# Altium PCB Dash Board (1).PcbDoc (part 1 of 2)
Units mil, origin at the board's own origin, x right, y up, seen from the top; angles counter-clockwise.
Board outline 5620.27 x 3065.15 mil, 4 copper layers (Top Layer, GND, Power, Bottom Layer), stack 29.356 mil thick; 93 components, 67 nets, 344 pads, 149 vias.
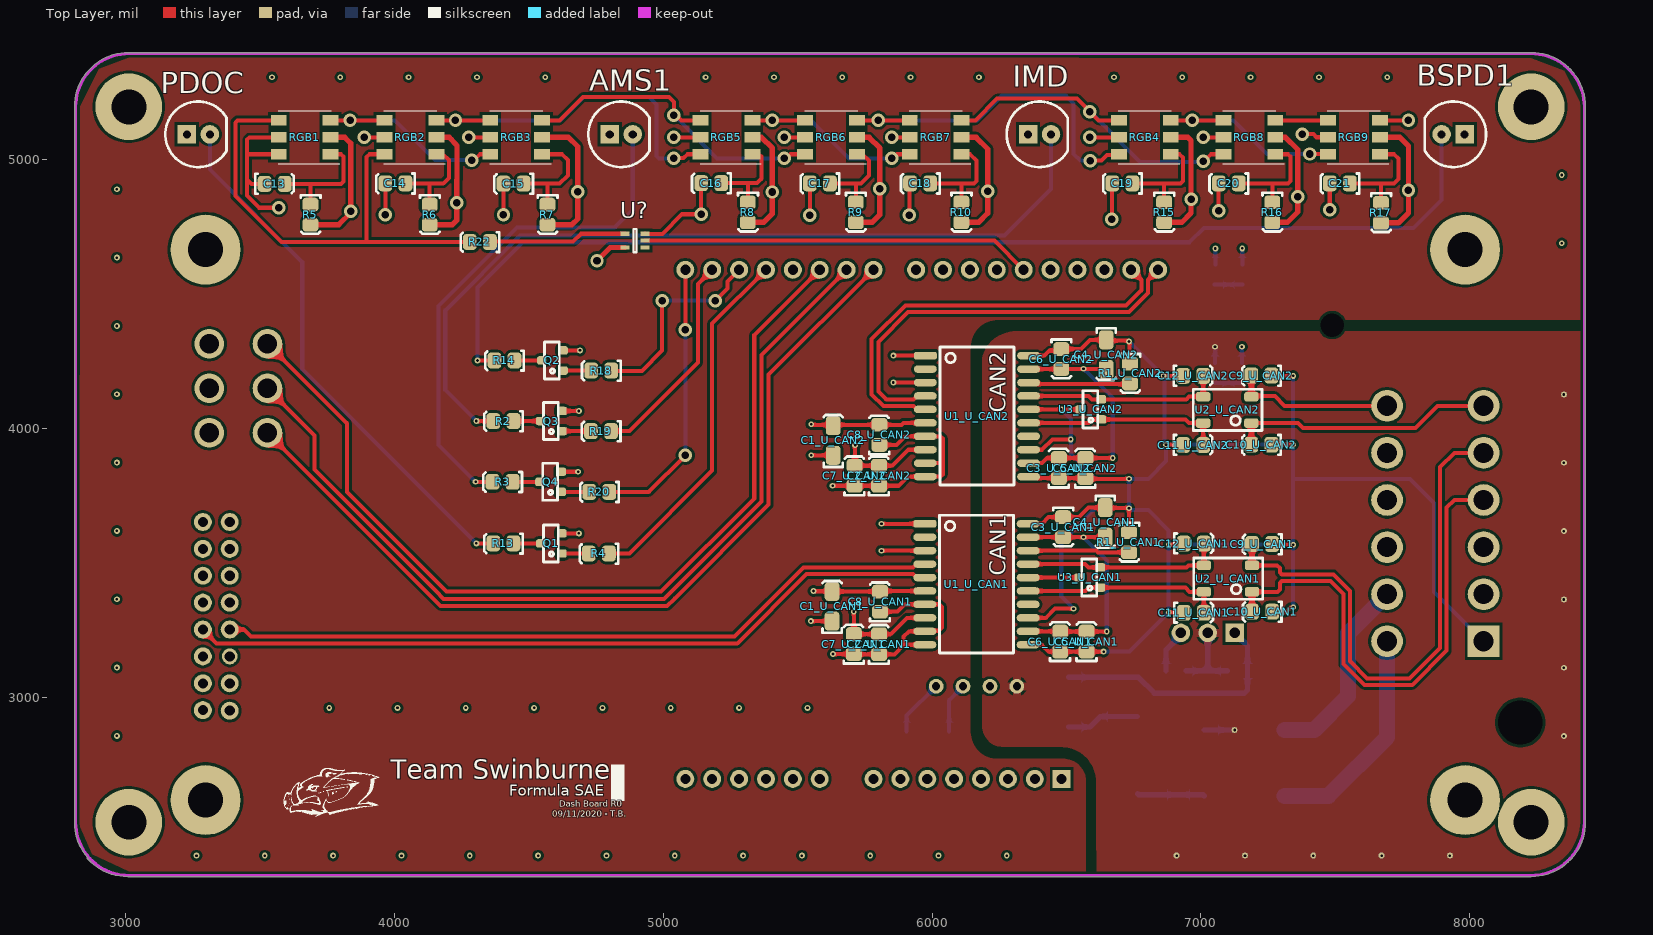
[diagram p0: Top Layer view]
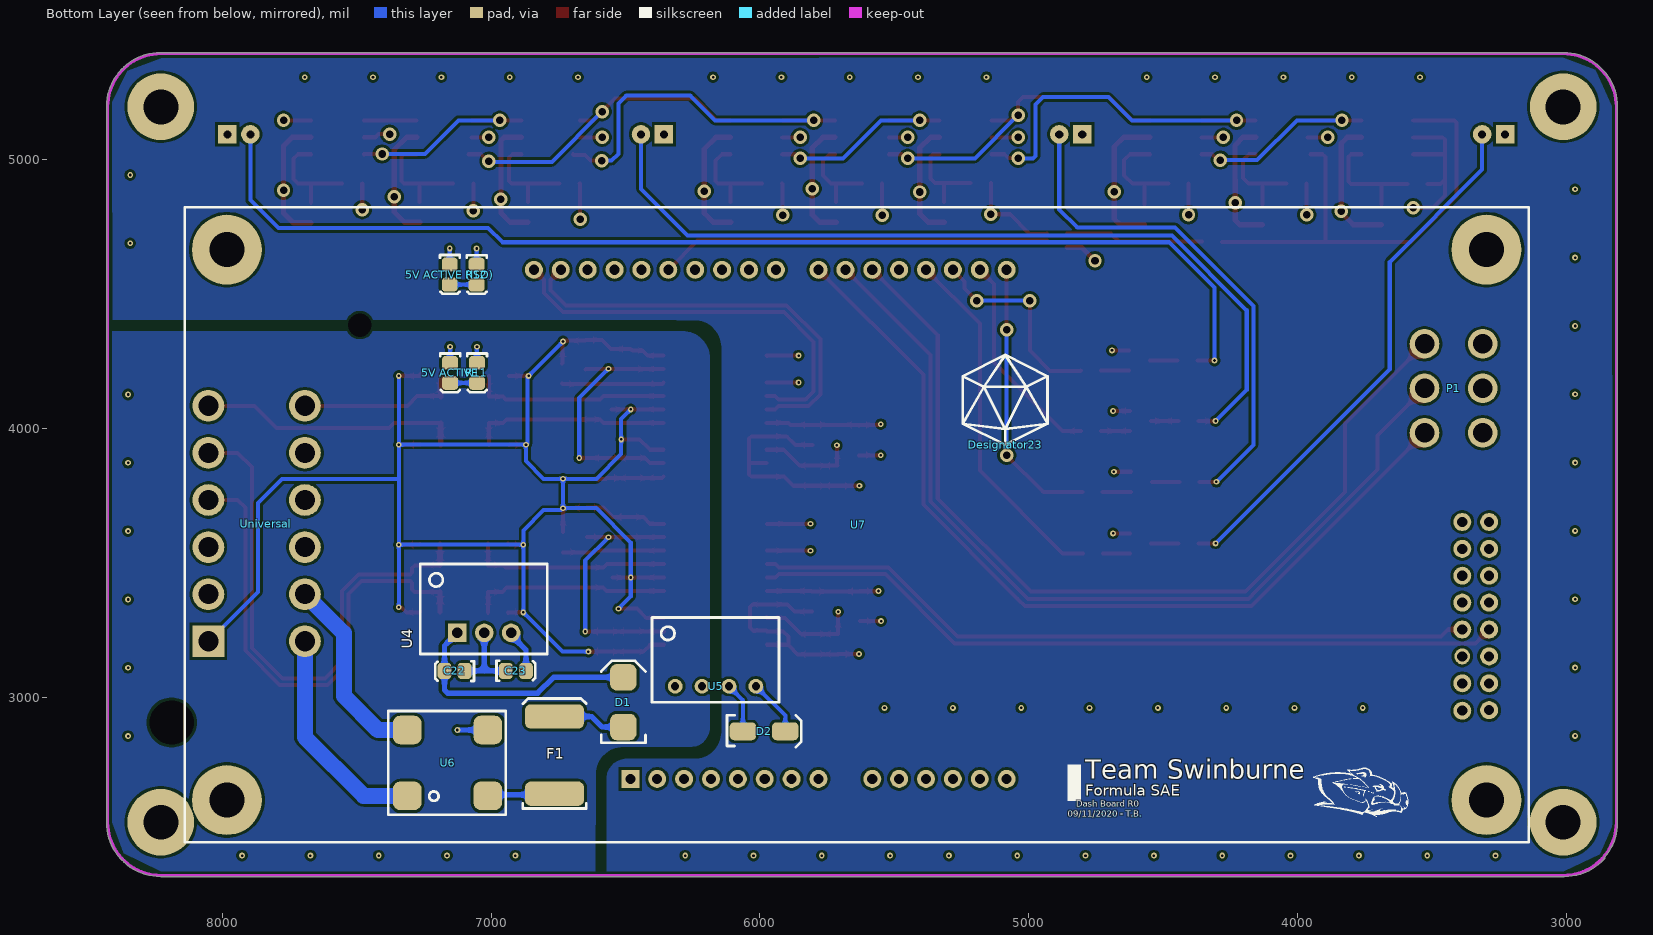
[diagram p1: Bottom Layer view, seen from below]
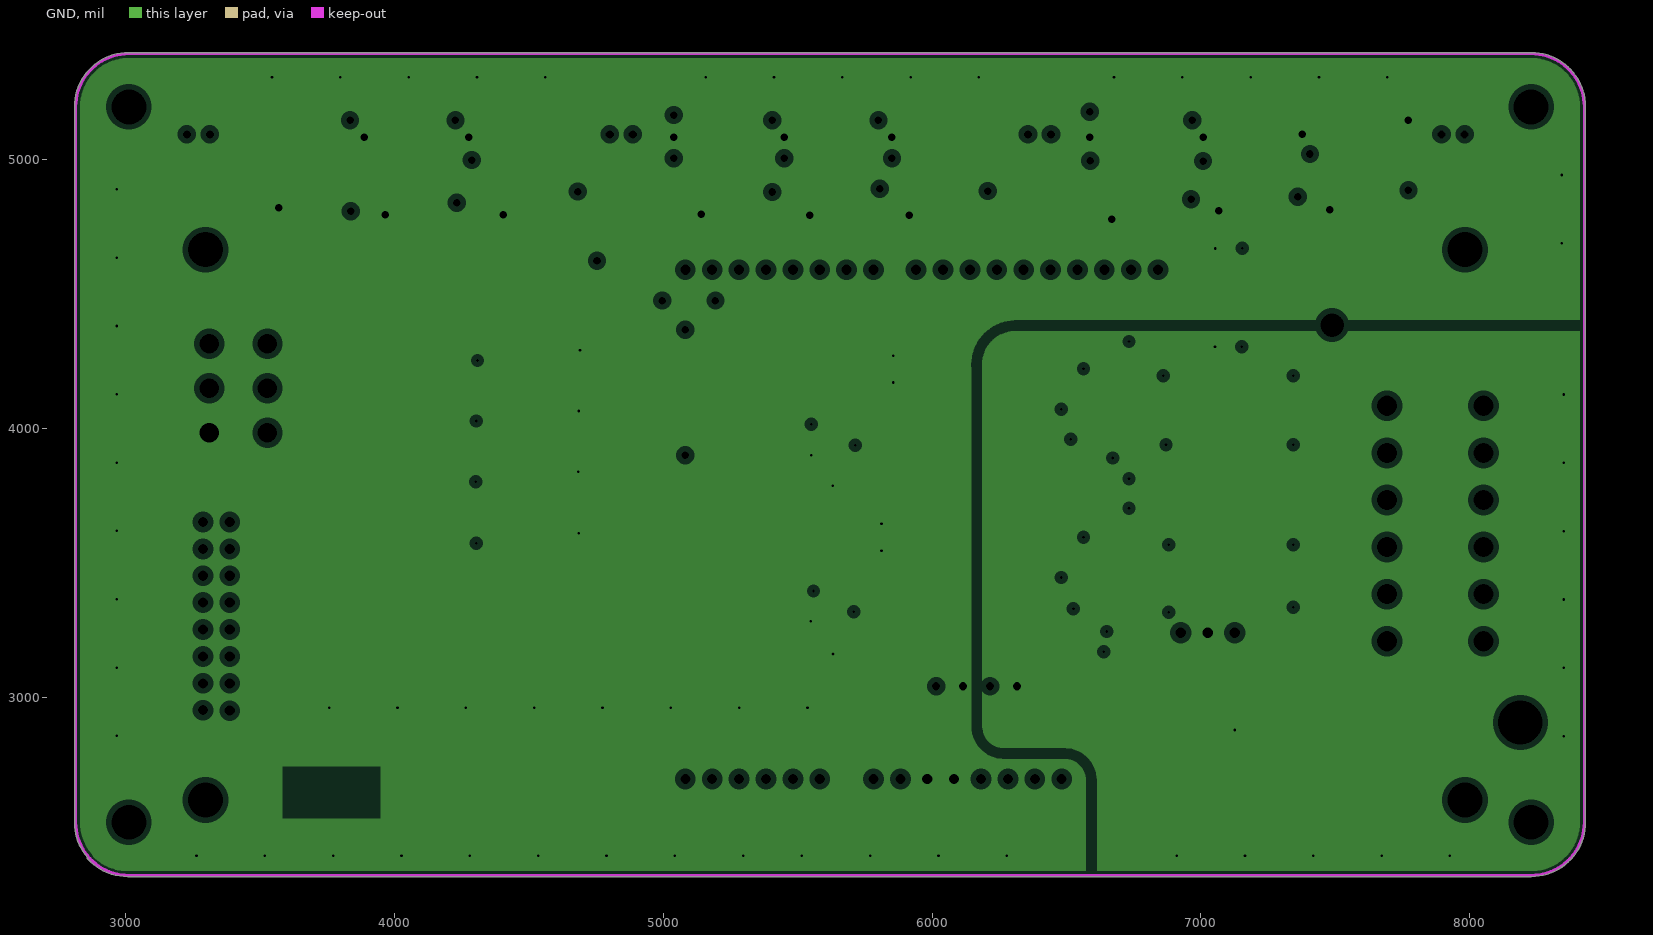
[diagram p2: GND, clearances drawn from the general rule]
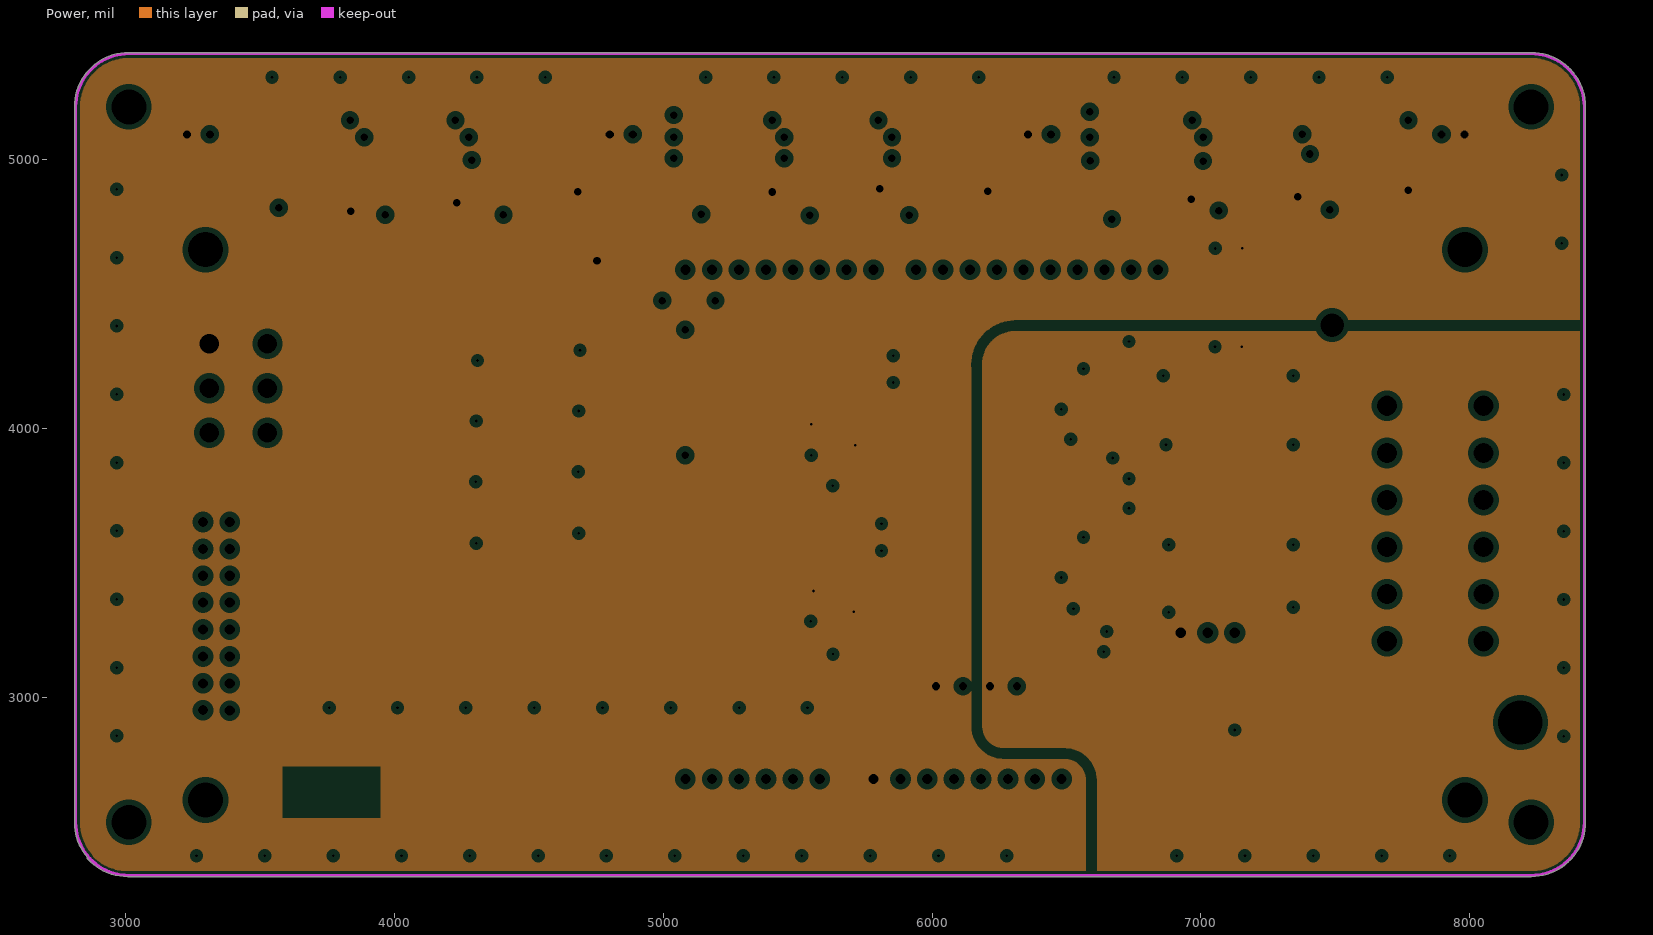
[diagram p3: Power, clearances drawn from the general rule]

## Layer stack, top to bottom
Top Solder: solder mask 0.4, Solder Resist, Dk 3.5
Top Layer: signal copper 1.4
Dielectric 2: prepreg 2.8, PP-006, Dk 4.1
Dielectric 4: prepreg 2.8, PP-006, Dk 4.1
GND: plane copper 1.378, net (Multiple Nets)
Dielectric 1: dielectric 12.6, FR-4, Dk 4.8
Power: plane copper 1.378, net (Multiple Nets)
Dielectric 5: prepreg 2.8, PP-006, Dk 4.1
Dielectric 3: prepreg 2.8, PP-006, Dk 4.1
Bottom Layer: signal copper 1.4
Bottom Solder: solder mask 0.4, Solder Resist, Dk 3.5

## Board outline
2859.24,2398.85 cw(c2862.93,2402.24) 2858.35,2404.29 cw(c3011.81,2535.43) 2810.55,2519.76 cw(c2814.96,2522.15) 2809.95,2522.15 2809.95,5196.85 cw(c3011.81,5196.85) 3011.81,5398.72 8228.35,5398.72 cw(c8228.35,5196.85) 8429.6,5212.56 cw(c8425.2,5210.16) 8430.21,5210.16 8430.21,2535.43 cw(c8228.35,2535.43) 8228.35,2333.57 ccw(c8228.35,2338.58) 8228.43,2333.57 8228.35,2333.57 3011.81,2333.57 cw(c3011.81,2535.43) 3008.4,2333.6 cw(c3007.87,2338.58) 3007.87,2333.57 cw(c3007.87,2535.43)

## Design rules (kind name [scope] priority, off if disabled: settings)
Clearance Clearance_2 [All] p1: gap=10 ignorepadtopadclearanceinfootprint=FALSE except(0: Arc-Hole Track-Hole SMDPad-Hole THPad-Hole Via-Hole Fill-Hole Poly-Hole Region-Hole Text-Hole)
Clearance Clearance_1 [All] p2: gap=10 ignorepadtopadclearanceinfootprint=FALSE except(0: Arc-Hole Track-Hole SMDPad-Hole THPad-Hole Via-Hole Fill-Hole Poly-Hole Region-Hole Text-Hole)
Clearance [All] p3: gap=11.81 ignorepadtopadclearanceinfootprint=TRUE except(0: Arc-Hole Track-Hole SMDPad-Hole THPad-Hole Via-Hole Fill-Hole Poly-Hole Region-Hole Text-Hole; 23.62: Arc-Poly Track-Poly SMDPad-Poly THPad-Poly Via-Poly Fill-Poly; 39.37: Poly-Poly)
DiffPairsRouting [All] p1: maxlimit=10 minlimit=10 mostfreqgap=10 toplayer_minwidth=10 toplayer_maxwidth=15 toplayer_prefwidth=15 bottomlayer_minwidth=10 bottomlayer_maxwidth=15 bottomlayer_prefwidth=15 maxuncoupledlength=500
Height [All] p1: minheight=0 maxheight=1968.5 prefheight=500
PlaneClearance [All] p1: clearance=20
PlaneConnect [All] p1: planeconnectstyle=Relief reliefexpansion=20 reliefentries=4 reliefconductorwidth=31.5 reliefairgap=10
PolygonConnect [All] p1: connectstyle=Relief reliefconductorwidth=31.5 reliefentries=4 polygonreliefangle="90 Angle" airgapwidth=10
RoutingVias [All] p1: holewidth=28 width=50 viastyle="Through Hole" minholewidth=28 minwidth=50 maxholewidth=28 maxwidth=50
SolderMaskExpansion [All] p1: expansion=4 istentingtop=FALSE
Width [All] p1: maxlimit=118.11 minlimit=10 preferedwidth=19.68
26 further rules are at their usual default settings.

## Classes and differential pairs
component class "RBG DISPLAY": C13 C14 C15 C16 C17 C18 C19 C20 C21 R5 R6 R7 R8 R9 R10 R15 R16 R17 R22 RGB1 RGB2 RGB3 RGB4 RGB5 RGB6 RGB7 RGB8 RGB9 U?
channel class CAN: U_CAN1 U_CAN2
component class U_Power: "5V ACTIVE" "5V ACTIVE (ISO)" C22 C23 D1 D2 F1 R11 R12 U4 U5 U6
component class U_CAN2: C1_U_CAN2 C2_U_CAN2 C3_U_CAN2 C4_U_CAN2 C5_U_CAN2 C6_U_CAN2 C7_U_CAN2 C8_U_CAN2 C9_U_CAN2 C10_U_CAN2 C11_U_CAN2 C12_U_CAN2 R1_U_CAN2 U1_U_CAN2 U2_U_CAN2 U3_U_CAN2
component class U_CAN1: C1_U_CAN1 C2_U_CAN1 C3_U_CAN1 C4_U_CAN1 C5_U_CAN1 C6_U_CAN1 C7_U_CAN1 C8_U_CAN1 C9_U_CAN1 C10_U_CAN1 C11_U_CAN1 C12_U_CAN1 R1_U_CAN1 U1_U_CAN1 U2_U_CAN1 U3_U_CAN1
component class "Top Level (7)": AMS1 BSPD1 IMD P1 PDOC Q1 Q2 Q3 Q4 R2 R3 R4 R13 R14 R18 R19 R20 U7 Universal
differential pair CAN1: +CAN1H_P -CAN1L_N

## Components (designator, comment, footprint, x,y, rotation, side; value= is the part's Value field where it differs from the comment)
"5V ACTIVE" "LED" "0805 LED" 7151.31,4206.49 r270 bottom
"5V ACTIVE (ISO)" "LED" "0805 LED" 7152.58,4572.41 r270 bottom
AMS1 "RED" "5MM LED" 4457.29,4984.25 r0 top
BSPD1 "RED" "5MM LED" 8324.39,5204.72 r180 top
C1_U_CAN1 "10nF" 1206 5627.95,3386.02 r90 top (schematic designator C1)
C1_U_CAN2 "10nF" 1206 5631.89,4002.93 r90 top (schematic designator C1)
C2_U_CAN1 "100nF" 0805 5801.76,3198.24 r90 top (schematic designator C2)
C2_U_CAN2 "100nF" 0805 5801.59,3825.06 r90 top (schematic designator C2)
C3_U_CAN1 "100nF" 0805 6488.38,3632.72 r270 top (schematic designator C3)
C3_U_CAN2 "100nF" 0805 6470.47,3853.54 r90 top (schematic designator C3)
C4_U_CAN1 "10nF" 1206 6643.7,3603.67 r270 top (schematic designator C4)
C4_U_CAN2 "10nF" 1206 6647.64,4227.55 r270 top (schematic designator C4)
C5_U_CAN1 "10uF" 0805 6573.77,3208.08 r90 top (schematic designator C5)
C5_U_CAN2 "10uF" 0805 6568.9,3853.54 r90 top (schematic designator C5)
C6_U_CAN1 "100nF" 0805 6475.35,3208.08 r90 top (schematic designator C6)
C6_U_CAN2 "100nF" 0805 6481.35,4258.08 r270 top (schematic designator C6)
C7_U_CAN1 "10uF" 0805 5707.72,3199.01 r90 top (schematic designator C7)
C7_U_CAN2 "10uF" 0805 5710.5,3825.06 r90 top (schematic designator C7)
C8_U_CAN1 "100nF" 0805 5805.12,3356.49 r90 top (schematic designator C8)
C8_U_CAN2 "100nF" 0805 5802.62,3977.05 r90 top (schematic designator C8)
C9_U_CAN1 "100pF" 0805 7226.92,3569.32 r180 top (schematic designator C9)
C9_U_CAN2 "100pF" 0805 7224.37,4196.28 r180 top (schematic designator C9)
C10_U_CAN1 "100pF" 0805 7226.92,3317.84 r180 top (schematic designator C10)
C10_U_CAN2 "100pF" 0805 7224.37,3938.88 r180 top (schematic designator C10)
C11_U_CAN1 "100pF" 0805 6973.93,3315.84 r0 top (schematic designator C11)
C11_U_CAN2 "100pF" 0805 6971.38,3939.71 r0 top (schematic designator C11)
C12_U_CAN1 "100pF" 0805 6973.93,3573.16 r0 top (schematic designator C12)
C12_U_CAN2 "100pF" 0805 6971.38,4197.11 r0 top (schematic designator C12)
C13 "100nF" 0805 3554.77,4911 r0 top
C14 "100nF" 0805 4003,4911 r180 top
C15 "100nF" 0805 4442.54,4909.97 r180 top
C16 "100nF" 0805 5178,4912 r180 top
C17 "100nF" 0805 5581.91,4911 r180 top
C18 "100nF" 0805 5955,4911 r180 top
C19 "100nF" 0805 6707.05,4911 r180 top
C20 "100nF" 0805 7102.95,4911 r180 top
C21 "100nF" 0805 7515.94,4911 r180 top
C22 "10uF" 0805 7136.3,3097.39 r0 bottom
C23 "22uF" 0805 6907.01,3099.46 r180 bottom
D1 "SD560BTR" "SMB Diode" 6507.87,2899.61 r90 bottom
D2 "SMAZ5V6-13-F" "DI SMA Diode" 6062.99,2874.02 r180 bottom
Designator23 "Comment" Icosahedron 5087.64,3939.18 r180 bottom
F1 "0ZCF0200AF2C" 2920 6763.78,2641.73 r90 bottom
IMD "RED" "5MM LED" 6013.19,4984.25 r0 top
P1 "39281063" 39281063 3527.56,4149.61 r90 bottom
PDOC "RED" "5MM LED" 2884.05,4984.25 r0 top
Q1 "BC817-16LT1" "ON SOT-23 BJT" 4583.69,3572.65 r90 top
Q2 "BC817-16LT1" "ON SOT-23 BJT" 4587.69,4253.21 r90 top
Q3 "BC817-16LT1" "ON SOT-23 BJT" 4583.69,4028 r90 top
Q4 "BC817-16LT1" "ON SOT-23 BJT" 4580.69,3801.92 r90 top
R1_U_CAN1 "0R" 0805 6733.31,3576.49 r270 top (schematic designator R1)
R1_U_CAN2 "0R" 0805 6737.25,4204.35 r270 top (schematic designator R1)
R2 "240R" 0805 4404.67,4026.97 r180 top
R3 "240R" 0805 4401.67,3800.89 r180 top
R4 "1k" 0805 4759.71,3534.22 r180 top
R5 "150R" 0805 3688.63,4795.28 r270 top
R6 "150R" 0805 4132.13,4795.28 r270 top
R7 "150R" 0805 4570.15,4795.28 r270 top
R8 "150R" 0805 5315.38,4804 r270 top
R9 "150R" 0805 5717,4804 r270 top
R10 "150R" 0805 6109.63,4804 r270 top
R11 "1.5k" 0805 7051.31,4206.49 r270 bottom
R12 "1.5k" 0805 7052.58,4572.16 r270 bottom
R13 "240R" 0805 4404.67,3571.85 r180 top
R14 "240R" 0805 4408.67,4252.18 r180 top
R15 "150R" 0805 6864.17,4804 r270 top
R16 "150R" 0805 7266.33,4804 r270 top
R17 "150R" 0805 7670.46,4802.02 r270 top
R18 "1k" 0805 4768.54,4214.78 r180 top
R19 "1k" 0805 4767.73,3989.56 r180 top
R20 "1k" 0805 4761.54,3763.49 r180 top
R22 "330R" 0805 4317.16,4693 r180 top
RGB1 "WS2813" WS2812 3666.12,5083.31 r0 top
RGB2 "WS2813" WS2812 4059.43,5083.31 r0 top
RGB3 "WS2813" WS2812 4452.74,5083.31 r0 top
RGB4 "WS2813" WS2812 6790.93,5083.31 r0 top
RGB5 "WS2813" WS2812 5235.02,5083.31 r0 top
RGB6 "WS2813" WS2812 5624,5083.31 r0 top
RGB7 "WS2813" WS2812 6012.98,5083.31 r0 top
RGB8 "WS2813" WS2812 7179.9,5083.31 r0 top
RGB9 "WS2813" WS2812 7568.88,5083.31 r0 top
U1_U_CAN1 "ADM3053" "AD SOIC-W 20" 6164.99,3420.8 r270 top (schematic designator U1)
U1_U_CAN2 "ADM3053" "AD SOIC-W 20" 6166.8,4046.15 r270 top (schematic designator U1)
U2_U_CAN1 "B82787C0104H002" "TDK 4-PC Pad" 7189.99,3392.73 r180 top (schematic designator U2)
U2_U_CAN2 "B82787C0104H002" "TDK 4-PC Pad" 7187.44,4020.18 r180 top (schematic designator U2)
U3_U_CAN1 "NUP2105L" "ON SOT-23" 6586.61,3445.96 r90 top (schematic designator U3)
U3_U_CAN2 "NUP2105L" "ON SOT-23" 6590.55,4071.15 r90 top (schematic designator U3)
U4 "R-78C5.0-1.0" "RECOM 3-SIP" 7125.2,3240.16 r180 bottom
U5 "RI-0505S" "RECOM 4-SIP" 6164.99,3041.34 r180 bottom
U6 "744272121" "Wurth 4-PC Pad" 7011.81,2878.74 r0 bottom
U7 "DISCO-F469NI" DISCO-F469NI 5639.76,3681.1 r90 bottom locked
U? "SN74LV1T34DCKR" DCK0005A_N 4895,4699 r180 top value=Value
Universal "DTF15-12P" DTF15-12P 7333.07,3208.66 r90 bottom

## Footprints (in the part's own frame and the unit in brackets; to place one, negate y for a bottom-side part, rotate by r counter-clockwise, add the part's x,y. Pads: shape width x height; smd on the part's side, far side on the other; paste and mask are expansions set on the pad)
"5MM LED" [mm]
  rect 1.75x1.75 hole 0.762: A(8.725,2.8)
  round 1.75 hole 0.762: K(10.9,2.8)
  silkscreen extent 6.7,-0.3 12.48,5.9, body extent 6.85,-0.15 12.36,5.75, height 8.9
0805 [mil]
  rrect50% 51.18x59.06 smd: 1(-37.87,-1.03) 2(36.93,-1.03)
  silkscreen extent -73,-37 71,37, body extent -39,-26 39,26, height 29
"0805 LED" [mil]
  rrect50% 51.18x59.06 smd: A(-37.87,-1.03) K(36.93,-1.03)
  silkscreen extent -73,-37 71,37, body extent -43,-25 35,25, height 39
1206 [mm]
  rrect50% 1.8x1.4 smd: 1(-2.6,0) 2(0.2,0)
  silkscreen extent -3.7,-0.9 1.2,0.9, body extent -2.9,-0.9 0.5,0.9, height 1.85
2920 [mm]
  rrect50% 2.3x5.6 smd: 1(0,0) 2(7.3,0)
  silkscreen extent -1.4,-3 9,3, body extent -0.34,-2.81 7.64,2.81, height 1.14
39281063 [mm]
  round 2.8 hole 1.85: 1(4.2,-5.5) 2(0,-5.5) 3(-4.2,-5.5) 4(4.2,0) 5(0,0) 6(-4.2,0)
  body extent -7.27,-7.8 7.33,3.2, height 12.8
"AD SOIC-W 20" [mil]
  rrect50% 28x85 smd: 1(-225,-192.02)
  oval 28x85 smd: 2(-175,-192.02) 3(-125,-192.02) 4(-75,-192.02) 5(-25,-192.02) 6(25,-192.02) 7(75,-192.02) 8(125,-192.02) 9(175,-192.02) 10(225,-192.02) 11(225,192.02) 12(175,191.98) 13(125,191.98) 14(75,191.98) 15(25,191.98) 16(-25,191.98) 17(-75,191.98) 18(-125,191.98) 19(-175,191.98) 20(-225,191.98)
  silkscreen extent -257,-138 256,138, body extent -260,-210 260,210, height 105
DCK0005A_N [mm]
  rect 0.85x0.4 smd paste-0.102 mask+0.051: 1(-0.95,0.65) 2(-0.95,0) 3(-0.95,-0.65) 4(0.95,-0.65) 5(0.95,0.65)
  silkscreen extent -0.15,-1.1 0.15,1.1, body extent 0,0 0.25,0.25, height 0.25
"DI SMA Diode" [mm]
  rrect50% 2.5x1.7 smd: A(0,0) K(4,0)
  silkscreen extent -1.5,-1.5 5.5,1.5, body extent -0.8,-1.46 4.79,1.46, height 2.35
DISCO-F469NI [mm]
  round 6.6 hole 3.3: 0(-27,-59.5) 0(-27,59.5) 0(25,-59.5) 0(25,59.5)
  rect 1.7x1.7 hole 0.95: 1(-25,21.391)
  round 1.7 hole 0.95: 2(-25,18.851) 3(-25,16.311) 4(-25,13.771) 5(-25,11.231) 6(-25,8.691) 7(-25,6.151) 8(-25,3.611) 9(-25,-1.469) 10(-25,-4.009) 11(-25,-6.549) 12(-25,-9.089) 13(-25,-11.629) 14(-25,-14.169) 15(23.103,30.499) 16(23.103,27.959) 17(23.103,25.419) 18(23.103,22.879) 19(23.103,20.339) 20(23.103,17.799) 21(23.103,15.259) 22(23.103,12.719) 23(23.103,10.179) 24(23.103,7.639) 25(23.103,3.611) 26(23.103,1.071) 27(23.103,-1.469) 28(23.103,-4.009) 29(23.103,-6.549) 30(23.103,-9.089) 31(23.103,-11.629) 32(23.103,-14.169) 33(-0.727,-57.213) 34(-3.267,-57.213) 35(-5.807,-57.213) 36(-8.347,-57.213) 37(-10.887,-57.213) 39(-15.967,-57.213) 40(-18.558,-57.213) 41(-18.507,-59.753) 42(-15.967,-59.753) 43(-13.427,-59.753) 44(-10.887,-59.753) 45(-8.347,-59.753) 46(-5.807,-59.753) 47(-3.267,-59.753) 48(-0.727,-59.753)
  round 1.5 hole 0.95: 38(-13.427,-57.213)
  silkscreen extent -31,-63.5 29,63.5, body extent -31.1,-64.69 29.95,63.89
DTF15-12P [mm]
  rect 3x3 hole 1.9: 1(0,18.24)
  round 3 hole 1.9: 2(4.45,18.24) 3(8.9,18.24) 4(13.35,18.24) 5(17.8,18.24) 6(22.25,18.24) 7(22.25,9.12) 8(17.8,9.12) 9(13.35,9.12) 10(8.9,9.12) 11(4.45,9.12) 12(0,9.12)
  round 1.524 hole 4.2 unplated mask+0: 5(-7.671,21.717)
  round 1.524 hole 2.2 unplated mask+0: ""(29.87,3.937)
  body extent -10.87,2.62 33.07,24.88, height 35
Icosahedron [mil]
  silkscreen extent -157,0 157,335
"ON SOT-23" [mm] "NUP2105L"
  rrect50% 0.8x0.9 smd: 1(-0.95,-1) 2(0.95,-1) 3(0,1)
  silkscreen extent -1.75,-0.65 1.75,0.75, body extent -1.5,-1.27 1.5,1.28, height 1
"ON SOT-23 BJT" [mm] "NUP2105L"
  rrect50% 0.8x0.9 smd: B(-0.95,-1) C(0,1) E(0.95,-1)
  silkscreen extent -1.75,-0.65 1.75,0.75, body extent -1.5,-1.27 1.5,1.28, height 1
"RECOM 3-SIP" [mm] "12 to 42 Vdc In, 9 Vdc Out"
  rect 1.75x1.75 hole 1: 1(0,0)
  round 1.75 hole 1: 2(2.54,0) 3(5.08,0)
  silkscreen extent -3.5,-2 8.5,6.5, body extent -3.26,-2.02 8.34,6.48, height 11.41
"RECOM 4-SIP" [mil]
  round 55 hole 30: 1(-150,0) 2(-50,0) 3(50,0) 4(150,0)
  silkscreen extent -236,-59 236,256, body extent -225,-51 227,249, height 122
"SMB Diode" [mm]
  rrect50% 2.5x2.5 smd: A(-0.25,0) K(4.45,0)
  silkscreen extent -1.75,-2.1 6,2.1, body extent -0.69,-1.97 4.9,1.97, height 2.5
"TDK 4-PC Pad" [mm]
  rrect50% 1.35x0.9 smd: 1(0,0) 2(0,-2.5) 3(4.55,-2.5) 4(4.55,0)
  silkscreen extent -1,-3.2 5.5,0.7, body extent -0.02,-2.82 4.48,0.38, height 2.8
WS2812 [mm]
  rect 1.5x1 smd: 1(2.45,-1.6) 2(2.45,0) 3(2.45,1.6) 4(-2.45,1.6) 5(-2.45,0) 6(-2.45,-1.6)
  silkscreen extent -2.5,-2.5 3.31,2.5
"Wurth 4-PC Pad" [mm]
  rrect50% 2.7x2.7 smd: 1(7.62,6.22) 2(0,6.22) 3(0,0) 4(7.62,0)
  silkscreen extent -1.7,-1.8 9.4,8, body extent -1.19,-1.24 8.81,7.46, height 6.2

## Part data
"5V ACTIVE" "5V ACTIVE (ISO)": library part SML-210LTT86, "Red LED Indication - Discrete 1.75V 0805 (2012 Metric)", Colour=Red, Digikey Part Number=511-1286-1-ND, Manufacturer="ROHM Semiconductor", Digikey Link=https://www.digikey.com/product-detail/en/rohm-semiconductor/SML-210LTT86/511-1286-1-ND/637099, Part Number=SML-210LTT86
AMS1 BSPD1 IMD PDOC: library part C503B-GAN-CB0F0791, "LED RED CLEAR 5MM ROUND T/H", Colour=Green, Digikey Part Number=C503B-GAN-CB0F0791-ND, Manufacturer="Cree Inc.", Digikey Link=https://www.digikey.com/products/en?mpart=C503B-GAN-CB0F0791&v=90&fbclid=IwAR2JUDlssEKQKztQKB3h34IlXIXn-Voov26K1DpWHwQ6mgzekaFZMifRLJU, Part Number=C503B-GAN-CB0F0791
C1_U_CAN1 C1_U_CAN2 C4_U_CAN1 C4_U_CAN2: library part GCM3195C2A103JA16D, Digikey Part Number=490-4978-2-ND, Manufacturer=muRata, Rated Voltage=100V, Tolerance=5%, Material=Ceramic, Part Number=GCM3195C2A103JA16D
C2_U_CAN1 C2_U_CAN2 C3_U_CAN1 C3_U_CAN2 C6_U_CAN1 C6_U_CAN2 C8_U_CAN1 C8_U_CAN2: library part GCM21BR71E104KA37L, Manufacturer=muRata, Rated Voltage=25V, Tolerance=10%, Material=X7R, Part Number=GCM21BR71E104KA37L
C5_U_CAN1 C5_U_CAN2 C7_U_CAN1 C7_U_CAN2 C22: library part GRM21BR6YA106KE43L, Digikey Part Number=490-10514-6-ND, Manufacturer=muRata, Rated Voltage=50V, Tolerance=10%, Material=X5R, Part Number=GRM21BR6YA106KE43L
C9_U_CAN1 C9_U_CAN2 C10_U_CAN1 C10_U_CAN2 C11_U_CAN1 C11_U_CAN2 C12_U_CAN1 C12_U_CAN2: library part GCM21B5C1H101JA37L, Manufacturer=muRata, Rated Voltage=50V, Tolerance=5%, Material=C0G, Part Number=GCM21B5C1H101JA37L
C13 C14 C15 C16 C17 C18 C19 C20 C21: library part GCM21BR71H104KA37L, Digikey Part Number=490-6064-1-ND, Manufacturer=muRata, Rated Voltage=50V, Tolerance=±10%, Material=X7R, Part Number=GCM21BR71H104KA37L
C23: library part GRM21BR61A226ME51L, Digikey Part Number=490-10511-1-ND, Manufacturer=muRata, Rated Voltage=10V, Tolerance=20%, Material=X5R, Part Number=GRM21BR61A226ME51L
D1: "1.2V_F 600V 5A SMB", Digikey Part Number=1655-1530-2-ND, Manufacturer="SMC Diode Solutions", Digikey Link=https://www.digikey.com/product-detail/en/smc-diode-solutions/SD560BTR/1655-1530-2-ND/6022620, Part Number=SD560BTR
D2: "DIODE ZENER 5.6V 1W SMA", Digikey Part Number=SMAZ5V6-FDICT-ND, Manufacturer="Diodes Inc", Digikey Link=https://www.digikey.com/product-detail/en/diodes-incorporated/SMAZ5V6-13-F/SMAZ5V6-FDICT-ND/755500, Part Number=SMAZ5V6-13-F
F1: "SMD 24V 2A Fuse", Digikey Part Number=507-1749-2-ND, Manufacturer="Bel Fuse Inc", Digikey Link=https://www.digikey.com/product-detail/en/bel-fuse-inc/0ZCF0200AF2C/507-1749-2-ND/4156090, Part Number=0ZCF0200AF2C
P1: "Mini-Fit VERT 3x2", Digikey Part Number=WM3802-ND, Angle=0, Contact=Gold, Digikey Link=https://www.digikey.com/product-detail/en/molex/0039281063/WM3802-ND/61404, Flange=No, Part Number=39281063, Pitch=4.20mm, Positions=6, Row Spacing=4.2mm
Q1 Q2 Q3 Q4: "300mW  BJT NPN Transistor", Digikey Part Number=BC817-16LT1OSTR-ND, Manufacturer="ON Semiconductor", Digikey Link=https://www.digikey.com.au/product-detail/en/on-semiconductor/BC817-16LT1/BC817-16LT1OSTR-ND/606178, Part Number=BC817-16LT1
R1_U_CAN1 R1_U_CAN2: library part RC0805FR070RL, Manufacturer=YAGEO, Rated Voltage=0.125W, Tolerance=0.01, Material=FR-07, Part Number=RC0805FR070RL, Qty=50
R2 R3 R13 R14: library part RC0805FR07240RL, Manufacturer=YAGEO, Rated Voltage=0.125W, Tolerance=0.01, Material=FR-07, Part Number=RC0805FR07240RL, Qty=50
R4 R18 R19 R20: library part RC0805FR071KL, Manufacturer=YAGEO, Rated Voltage=0.125W, Tolerance=0.01, Material=FR-07, Part Number=RC0805FR071KL, Qty=50
R5 R6 R7 R8 R9 R10 R15 R16 R17: library part RC0805FR07150RL, Digikey Part Number=311-150CRCT-ND, Manufacturer=YAGEO, Rated Voltage=0.125W, Tolerance=0.01, Material=FR-07, Part Number=RC0805FR07150RL
R11 R12: library part RC0805FR071K5L, Manufacturer=YAGEO, Rated Voltage=0.125W, Tolerance=0.01, Material=FR-07, Part Number=RC0805FR071K5L, Qty=50
R22: library part RC0805FR07330RL, Digikey Part Number=311-330CRCT-ND, Manufacturer=YAGEO, Rated Voltage=0.125W, Tolerance=0.01, Material=FR-07, Part Number=RC0805FR07330RL
RGB1 RGB2 RGB3 RGB4 RGB5 RGB6 RGB7 RGB8 RGB9: "LED", Manufacturer_Name=Worldsemi, Datasheet Link=http://www.tme.eu/gb/Document/cf443473af21167b0bdd177fb1a7e90a/WS2813.pdf, Manufacturer_Part_Number=WS2813
U1_U_CAN1 U1_U_CAN2: "Isolated CAN Transceiver", Digikey Part Number=ADM3053BRWZ-ND, Manufacturer="Analogue Devices", Digikey Link=https://www.digikey.com/product-detail/en/analog-devices-inc/ADM3053BRWZ/ADM3053BRWZ-ND/2709332, Part Number=ADM3053
U2_U_CAN1 U2_U_CAN2: "Common mode choke intended for CANBUS 150mA 50V)", Digikey Part Number=495-4598-2-ND, Manufacturer="EPCOS (TDK)", Digikey Link=https://www.digikey.com/product-detail/en/epcos-tdk/B82787C0104H002/495-4598-2-ND/3680998, Part Number=B82787C0104H002
U3_U_CAN1 U3_U_CAN2: "Dual Line CAN Bus Protector", Digikey Part Number=NUP2105LT1GOSCT-ND, Manufacturer="ON Semiconductor", Digikey Link=https://www.digikey.com/product-detail/en/on-semiconductor/NUP2105LT1G/NUP2105LT1GOSCT-ND/1485001, Part Number=NUP2105L
U4: "CONV DC/DC 1A 5V OUT SIP VERT", Digikey Part Number=945-1395-5-ND, Manufacturer=Recom, Digikey Link=https://www.digikey.com.au/product-detail/en/recom-power/R-78C5.0-1.0/945-1395-5-ND/2652148, Part Number=R-78C5.0-1.0
U5: "5V DC-DC Converter (2W)", Digikey Part Number=945-1189-ND, Manufacturer=Recom, Digikey Link=https://www.digikey.com/product-detail/en/recom-power/RI-0505S/945-1189-ND/2256369, Part Number=RI-0505S
U6: "Common Mode Choke 120UH 2.5A 2LN 460 OHM SMD", Digikey Part Number=732-1489-2-ND, Manufacturer="Wurth Electronics Inc", Digikey Link=https://www.digikey.com/product-detail/en/wurth-electronics-inc/744272121/732-1489-2-ND/1638893, Part Number=744272121
U7: "STM32F469 Discovery STM32F4 ARM® Cortex®-M4 MCU 32-Bit Embedded Evaluation Board  (The Disco 69 lol)", Digikey Part Number=497-15990-ND, Manufacturer=STMicroelectronics, Digikey Link=https://www.digikey.com/product-detail/en/stmicroelectronics/STM32F469I-DISCO/497-15990-ND/5428811, Part Number=DISCO-F469NI
U?: "No Description Available", Manufacturer="Texas Instruments", PartNumber=SN74LV1T34DCK, CompType=IC, Copyright="Copyright (C) 2018 Accelerated Designs. All rights reserved", MountType=SMT, PackageReference=DCK0005A, PIN_COUNT=5, RefDes=RefDes, RoHS=Y, SymbolVerison=2014-09-28, Type=DEV
Universal: library part DTF15-12P[[/\]]DTF15-12P, Digikey Part Number=1734-1647-ND, Angle=0, Contact="Copper Alloy", Digikey Link=https://www.digikey.com.au/product-detail/en/te-connectivity-deutsch-connectors/DTF15-12PA/1734-1647-ND/7220164, Flange=No, Part Number=DTF15-12P, Pitch=4.44mm, Positions=12, Row Spacing="9.12 mm"

## Free pads (board coordinates)
  round 248.03 hole 129.92: 4(3011.81,2535.43) 4(3011.81,5196.85) 4(8228.35,2535.43) 4(8228.35,5196.85)

## Via types
v1: diameter 21.65, hole 9.84, Top Layer to Bottom Layer, tented both sides, 103 vias
v2: diameter 50, hole 28, Top Layer to Bottom Layer, 46 vias

## Nets (pads, with @x,y where several pads share a name; then routed paths per layer and width w, separated by ;. In a path a pad name is that pad's centre, name@x,y a point inside that pad or via, vN(x,y) a via of type N, cw(c..) or ccw(c..) an arc to the next point about the centre after c; other vN are vias at no path point)
0V: C22.1 C23.1 R11.1 U4.2 U5.1 U6.3 | length 468.6
  Bottom Layer w15: R11.1@7052.34,4244.36 v1(7052.3,4304.32)
  Bottom Layer w20: C23.1@6944.88,3098.43 7025.2,3098.43 ; U6.3@7011.81,2878.74 v1(7125.2,2878.74) ; U4.2@7025.2,3240.16 7025.2,3098.43 ; C22.1@7098.43,3098.43 7025.2,3098.43
  other v1: 6909.4,2411.42 7163.55,2411.42 7417.7,2411.42 7671.85,2411.42 7926,2411.42 8350,2856 8350,3110.15 8350,3364.3 8350,3618.45 8350,3872.6 8350,4126.76
"0V (ISO)": C1_U_CAN1.1 C1_U_CAN2.1 C2_U_CAN1.1 C2_U_CAN2.1 C7_U_CAN1.1 C7_U_CAN2.1 C8_U_CAN1.1 C8_U_CAN2.1 C13.1 C14.2 C15.2 C16.2 C17.2 C18.2 C19.2 C20.2 C21.2 D2.A P1.3 Q1.E Q2.E Q3.E Q4.E R12.1 RGB1.5 RGB1.6 RGB2.5 RGB3.5 RGB4.5 RGB5.5 RGB6.5 RGB7.5 RGB8.5 RGB9.3 RGB9.5 U1_U_CAN1.1 U1_U_CAN1.3 U1_U_CAN1.7 U1_U_CAN1.9 U1_U_CAN1.10 U1_U_CAN2.1 U1_U_CAN2.3 U1_U_CAN2.7 U1_U_CAN2.9 U1_U_CAN2.10 U5.3 U7.5 U7.6 U?.3 | length 5521.7
  Top Layer w15: C13.1@3516.9,4909.97 3468.81,4909.97 3452.17,4926.61 ; RGB1.6@3569.67,5020.31 3452.17,5020.31 ; RGB1.5@3569.67,5083.31 3460.95,5083.31 3452.17,5074.52 3452.17,5020.31 ; v2(3569.85,4821.34) 3497.02,4821.34 3452.17,4866.19 3452.17,4926.61 ; v2(3887.61,5083.31) RGB2.5@3962.97,5083.31 ; v2(3966.07,4795.28) C14.2@3966.07,4912.03 ; v2(4276,5083.31) RGB3.5@4356.28,5083.31 ; v2(4405.52,4795.28) 4405.57,4795.32 C15.2@4405.62,4911 C15.2@4405.62,4911 ; Q4.E@4620.06,3839.32 v1(4683.05,3839.32) ; Q1.E@4623.06,3610.05 v1(4686.05,3610.05) ; Q3.E@4623.06,4065.4 v1(4686.05,4065.4) ; Q2.E@4627.06,4290.61 v1(4690.05,4290.61) ; U?.3@4932.4,4724.59 4932.62,4724.37 4996.81,4724.37 5069.61,4797.18 v2(5141.03,4797.18) C16.2@5141.07,4913.03 ; v2(5039,5083.31) RGB5.5@5138.57,5083.31 ; v2(5450.43,5083.31) RGB6.5@5520.29,5083.31 ; v2(5544.99,4792.66) C17.2@5544.99,4912.03 ; v1(5549.1,3283.65) C1_U_CAN1.1@5627.95,3283.65 ; v1(5550.58,3900.57) C1_U_CAN2.1@5631.89,3900.57 ; v1(5629.73,3787.18) C7_U_CAN2.1@5711.53,3787.18 C2_U_CAN2.1@5802.62,3787.18 5875.54,3787.18 5909.51,3821.15 U1_U_CAN2.10@5974.78,3821.15 6031.05,3821.15 6039.84,3829.94 6039.84,3871.15 ; v1(5631.28,3161.14) C7_U_CAN1.1@5708.76,3161.14 5709.53,3160.36 C2_U_CAN1.1@5802.79,3160.36 5860.07,3160.36 5893.7,3193.99 ; C8_U_CAN2.1@5803.65,3939.18 5868.03,3939.18 5900.01,3971.15 U1_U_CAN2.7@5974.78,3971.15 6031.05,3971.15 6039.84,3962.36 6039.84,3871.15 ; C8_U_CAN1.1@5806.15,3318.62 5870.71,3318.62 5897.89,3345.8 U1_U_CAN1.7@5972.97,3345.8 6027.12,3345.8 6035.9,3337.01 6035.9,3259.14 6025.05,3248.28 5975.46,3248.28 U1_U_CAN1.9@5972.97,3245.8 5913.49,3245.8 5893.7,3226.01 5893.7,3193.99 ; v1@5811.75,3545.8 U1_U_CAN1.3@5972.97,3545.8 ; v1(5811.74,3645.8) U1_U_CAN1.1@5972.97,3645.8 ; v2(5850.42,5083.31) RGB7.5@5916.72,5083.31 ; v1(5855.88,4171.15) U1_U_CAN2.3@5974.78,4171.15 ; v1(5855.88,4271.15) 5972.03,4271.15 5973.4,4269.78 U1_U_CAN2.1@5974.78,4271.15 ; v2(5914.86,4794.27) 5916.47,4795.88 5916.47,4910.43 C18.2@5918.07,4912.03 ; U1_U_CAN1.10@5972.97,3195.8 5895.51,3195.8 5893.7,3193.99 ; U1_U_CAN2.9@5974.78,3871.15 6039.84,3871.15 ; v2(6586.66,5083.31) RGB4.5@6669.29,5083.31 ; v2(6668.92,4779.08) 6668.92,4910.83 C19.2@6670.12,4912.03 ; v2(7008.31,5083.31) RGB8.5@7073.42,5083.31 ; v2(7066.02,4810.76) C20.2@7066.02,4912.03 ; v2(7377,5095) 7417.71,5095 7429.18,5083.53 7472.19,5083.53 RGB9.5@7472.42,5083.31 ; v2(7479.02,4814.3) C21.2@7479.01,4912.03 ; RGB9.3@7670.46,5146.3 v2(7771.87,5146.3) ; 3452.17,4926.61 3452.17,5020.31
  Bottom Layer w15: D2.A@6062.99,2874.02 6062.99,2989.34 U5.3@6114.99,3041.34 ; R12.1@7053.62,4610.03 v1(7053.58,4669.99)
  other v1: 3263.63,2411.42 3517.78,2411.42 3771.93,2411.42 4026.08,2411.42 4280.23,2411.42 4534.38,2411.42 4788.53,2411.42 5042.69,2411.42 5296.84,2411.42 5515.38,2411.42 5769.53,2411.42 6023.68,2411.42 6277.83,2411.42 2967.58,2856.74 3757.15,2961 4011.3,2961 4265.45,2961 4519.6,2961 4773.76,2961 5027.91,2961 5282.06,2961 5536.21,2961 2967.58,3110.89 2967.58,3365.04 5811.74,3545.78 2967.58,3619.19 2967.58,3873.35 2967.58,4127.5 2967.58,4381.65 2967.58,4635.8 8342,4689.06 2967.58,4889.95 8342,4943.21 3544.4,5307 3798.55,5307 4052.7,5307 4306.85,5307 4561,5307 5157.4,5307 5411.55,5307 5665.7,5307 5919.85,5307 6174,5307 6676.4,5307 6930.55,5307 7184.7,5307 7438.85,5307 7693,5307
5V: "5V ACTIVE.A" C23.2 U4.3 U5.2 | length 224.5
  Bottom Layer w15: 7152.34,4244.36 v1(7152.3,4304.32)
  Bottom Layer w20: C23.2@6870.08,3098.43 6870.08,3177.05 6925.2,3232.17 U4.3@6925.2,3240.16
"5V (ISO)": "5V ACTIVE (ISO).A" AMS1.A BSPD1.A C1_U_CAN1.2 C1_U_CAN2.2 C2_U_CAN1.2 C2_U_CAN2.2 C7_U_CAN1.2 C7_U_CAN2.2 C8_U_CAN1.2 C8_U_CAN2.2 D2.K IMD.A P1.1 PDOC.A R5.2 R6.2 R7.2 R8.2 R9.2 R10.2 R15.2 R16.2 R17.2 RGB1.2 RGB2.2 RGB3.2 RGB4.2 RGB5.2 RGB6.2 RGB7.2 RGB8.2 RGB9.2 U1_U_CAN1.6 U1_U_CAN1.8 U1_U_CAN2.6 U1_U_CAN2.8 U5.4 U7.8 U?.5 | length 6256
  Top Layer w15: v1(5550.2,4016.32) 5552.96,4013.57 5629.13,4013.57 C1_U_CAN2.2@5631.89,4010.81 5635.06,4013.98 C8_U_CAN2.2@5803.65,4013.98 5885.98,4013.98 5893.16,4021.15 U1_U_CAN2.6@5974.78,4021.15 ; v1(5558.71,3395.8) 5559.66,3394.84 5627,3394.84 C1_U_CAN1.2@5627.95,3393.89 5805.68,3393.89 C8_U_CAN1.2@5806.15,3393.42 5808.53,3395.8 U1_U_CAN1.6@5972.97,3395.8 ; v1(5708.76,3318.63) C7_U_CAN1.2@5708.76,3235.94 5709.53,3235.16 C2_U_CAN1.2@5802.79,3235.16 5846.13,3235.16 5906.76,3295.8 U1_U_CAN1.8@5972.97,3295.8 U1_U_CAN1.8@5975.46,3298.28 ; v1(5713.58,3937.58) 5712.56,3936.56 5712.56,3863.01 C7_U_CAN2.2@5711.53,3861.98 C2_U_CAN2.2@5802.62,3861.98 5853.43,3861.98 5912.6,3921.15 U1_U_CAN2.8@5974.78,3921.15
  Top Layer w19.68: R5.2@3687.6,4758.35 3792.87,4758.35 3837.34,4802.82 v2(3837.34,4808.14) 3837.34,5060.98 3815.01,5083.31 RGB1.2@3762.58,5083.31 ; R6.2@4131.1,4758.35 4215.35,4758.35 4232.03,4775.03 v2(4232.03,4839.4) 4232.03,4923.88 4233,4924.85 4233,5052.06 4227.72,5057.73 4209.5,5077.29 4203.49,5083.31 4195.33,5083.31 RGB2.2@4155.89,5083.31 ; RGB3.2@4549.2,5083.31 4647.3,5083.31 4682,5048.61 v2(4682,4881.47) 4682,4779.87 4660.48,4758.35 R7.2@4569.12,4758.35 ; v2(4753.46,4624.14) 4802.73,4673.41 U?.5@4857.6,4673.41 ; R8.2@5314.35,4767.07 5373.4,4767.07 5405.58,4799.24 v2(5405.58,4879.85) 5405.58,5042.92 5365.19,5083.31 RGB5.2@5331.48,5083.31 ; R9.2@5715.97,4767.07 5776.84,4767.07 5805.58,4795.81 v2(5805.58,4892.4) 5805.58,5043.42 5765.69,5083.31 RGB6.2@5720.46,5083.31 ; R10.2@6108.6,4767.07 6173.06,4767.07 6207.05,4801.06 v2(6207.05,4883.5) 6207.05,5040 6163.74,5083.31 RGB7.2@6109.63,5083.31 ; R15.2@6863.14,4767.07 6928.31,4767.07 6963.03,4801.8 v2(6963.03,4852.68) 6963.03,5071.78 6951.5,5083.31 RGB4.2@6887.38,5083.31 ; R16.2@7265.3,4767.07 7320.81,4767.07 7359.8,4806.06 v2(7359.8,4861.73) 7359.8,5037.51 7314,5083.31 RGB8.2@7276.36,5083.31 ; R17.2@7669.43,4765.09 7734.94,4765.09 7771.87,4802.02 v2(7771.87,4886.25) 7771.87,5051.13 7739.69,5083.31 RGB9.2@7670.46,5083.31
  Bottom Layer w15: D2.K@5905.51,2874.02 5905.51,2931.86 U5.4@6014.99,3041.34 ; v1@7153.54,4670.28 v1(7153.58,4670.24) 7153.62,4610.28
AMS: R20.1 U7.32 | length 1029
  Top Layer w15: R20.1@4799.42,3764.52 4945.86,3764.52 v2(5081.91,3900.57) ; v2(5081.91,4367.65) U7.32@5081.91,4590.68
  Bottom Layer w15: v2(5081.91,3900.57) v2(5081.91,4367.65)
BSPD: R18.1 U7.30 | length 756.3
  Top Layer w15: R18.1@4806.42,4215.81 4807.45,4214.78 4920.87,4214.78 4996,4289.91 v2(4996,4476) ; v2(5194,4476) 5238.7,4520.7 5238.7,4547.47 U7.30@5281.91,4590.68
  Bottom Layer w15: v2(4996,4476) v2(5194,4476)
C1: U7.20 U?.2 | length 1453
  Top Layer w15: U?.2@4932.4,4699 6232.19,4699 U7.20@6340.51,4590.68
CAN1_RX: U1_U_CAN1.4 U7.37 | length 2708.1
  Top Layer w15: U7.37@3387.29,3252.48 3439.52,3252.48 3465.68,3226.32 5264.78,3226.32 5521.76,3483.3 5929.19,3483.3 5941.69,3495.8 U1_U_CAN1.4@5972.97,3495.8
CAN1_TX: U1_U_CAN1.5 U7.44 | length 2818.6
  Top Layer w15: U7.44@3287.29,3252.48 3338.78,3200.99 ; 3338.78,3201.32 5275.14,3201.32 5532.12,3458.3 5929.19,3458.3 5941.69,3445.8 U1_U_CAN1.5@5972.97,3445.8
CAN1H_P: C9_U_CAN1.2 U2_U_CAN1.2 Universal.5@8051.18,3909.45 | length 2018.2
  Top Layer w15: U2_U_CAN1.2@7189.99,3491.16 7283.46,3491.16 7293.31,3481.32 7293.31,3464.57 7300.49,3457.38 7492.81,3457.38 7554.53,3395.67 7554.53,3134.45 7618.11,3070.87 7775.59,3070.87 7889,3184.28 7889,3856.17 7942.28,3909.45 Universal.5@8051.18,3909.45
  Top Layer w20: U2_U_CAN1.2@7189.99,3491.16 C9_U_CAN1.2@7189.99,3570.36
CAN1L_N: C10_U_CAN1.2 U2_U_CAN1.1 Universal.4 | length 1875.3
  Top Layer w15: U2_U_CAN1.1@7189.99,3392.73 7284.52,3392.73 7293.31,3401.52 7293.31,3425.2 7300.49,3432.38 7482.46,3432.38 7529.53,3385.31 7529.53,3124.09 7600.43,3053.19 7607.75,3045.87 7785.95,3045.87 7914,3173.92 7914,3705.97 7942.28,3734.25 Universal.4@8051.18,3734.25
  Top Layer w20: C10_U_CAN1.2@7189.99,3318.88 U2_U_CAN1.1@7189.99,3392.73
CAN2_RX: U1_U_CAN2.4 U7.15 | length 1556.9
  Top Layer w15: U1_U_CAN2.4@5974.78,4121.15 5943.49,4121.15 5930.99,4108.65 5829.34,4108.65 5800.2,4137.8 5800.2,4322.71 5910.56,4433.07 6732.21,4433.07 6803.24,4504.11 6803.24,4552.75 6840.51,4590.02 U7.15@6840.51,4590.68
CAN2_TX: U1_U_CAN2.5 U7.16 | length 1598.5
  Top Layer w15: U1_U_CAN2.5@5974.78,4071.15 5943.49,4071.15 5930.99,4083.65 5818.99,4083.65 5775.2,4127.44 5775.2,4333.06 5900.2,4458.07 6721.85,4458.07 6778.24,4514.46 6778.24,4552.95 U7.16@6740.51,4590.68
CAN2H: C9_U_CAN2.2 U2_U_CAN2.2 Universal.7 | length 599.6
  Top Layer w15: U2_U_CAN2.2@7187.44,4118.61 7189.98,4121.15 7274.68,4121.15 7311.18,4084.65 Universal.7@7692.13,4084.65
  Top Layer w20: U2_U_CAN2.2@7187.44,4118.61 C9_U_CAN2.2@7187.44,4197.31
CAN2L: C10_U_CAN2.2 U2_U_CAN2.1 Universal.6 | length 985.4
  Top Layer w15: U2_U_CAN2.1@7187.44,4020.18 7361.47,4020.18 7379.18,4002.47 7797.95,4002.47 7880.13,4084.65 Universal.6@8051.18,4084.65
  Top Layer w20: C10_U_CAN2.2@7187.44,3939.92 U2_U_CAN2.1@7187.44,4020.18